# Allegro board C000PD020-3399PRO-DMEB-A-A01.brd (continued)
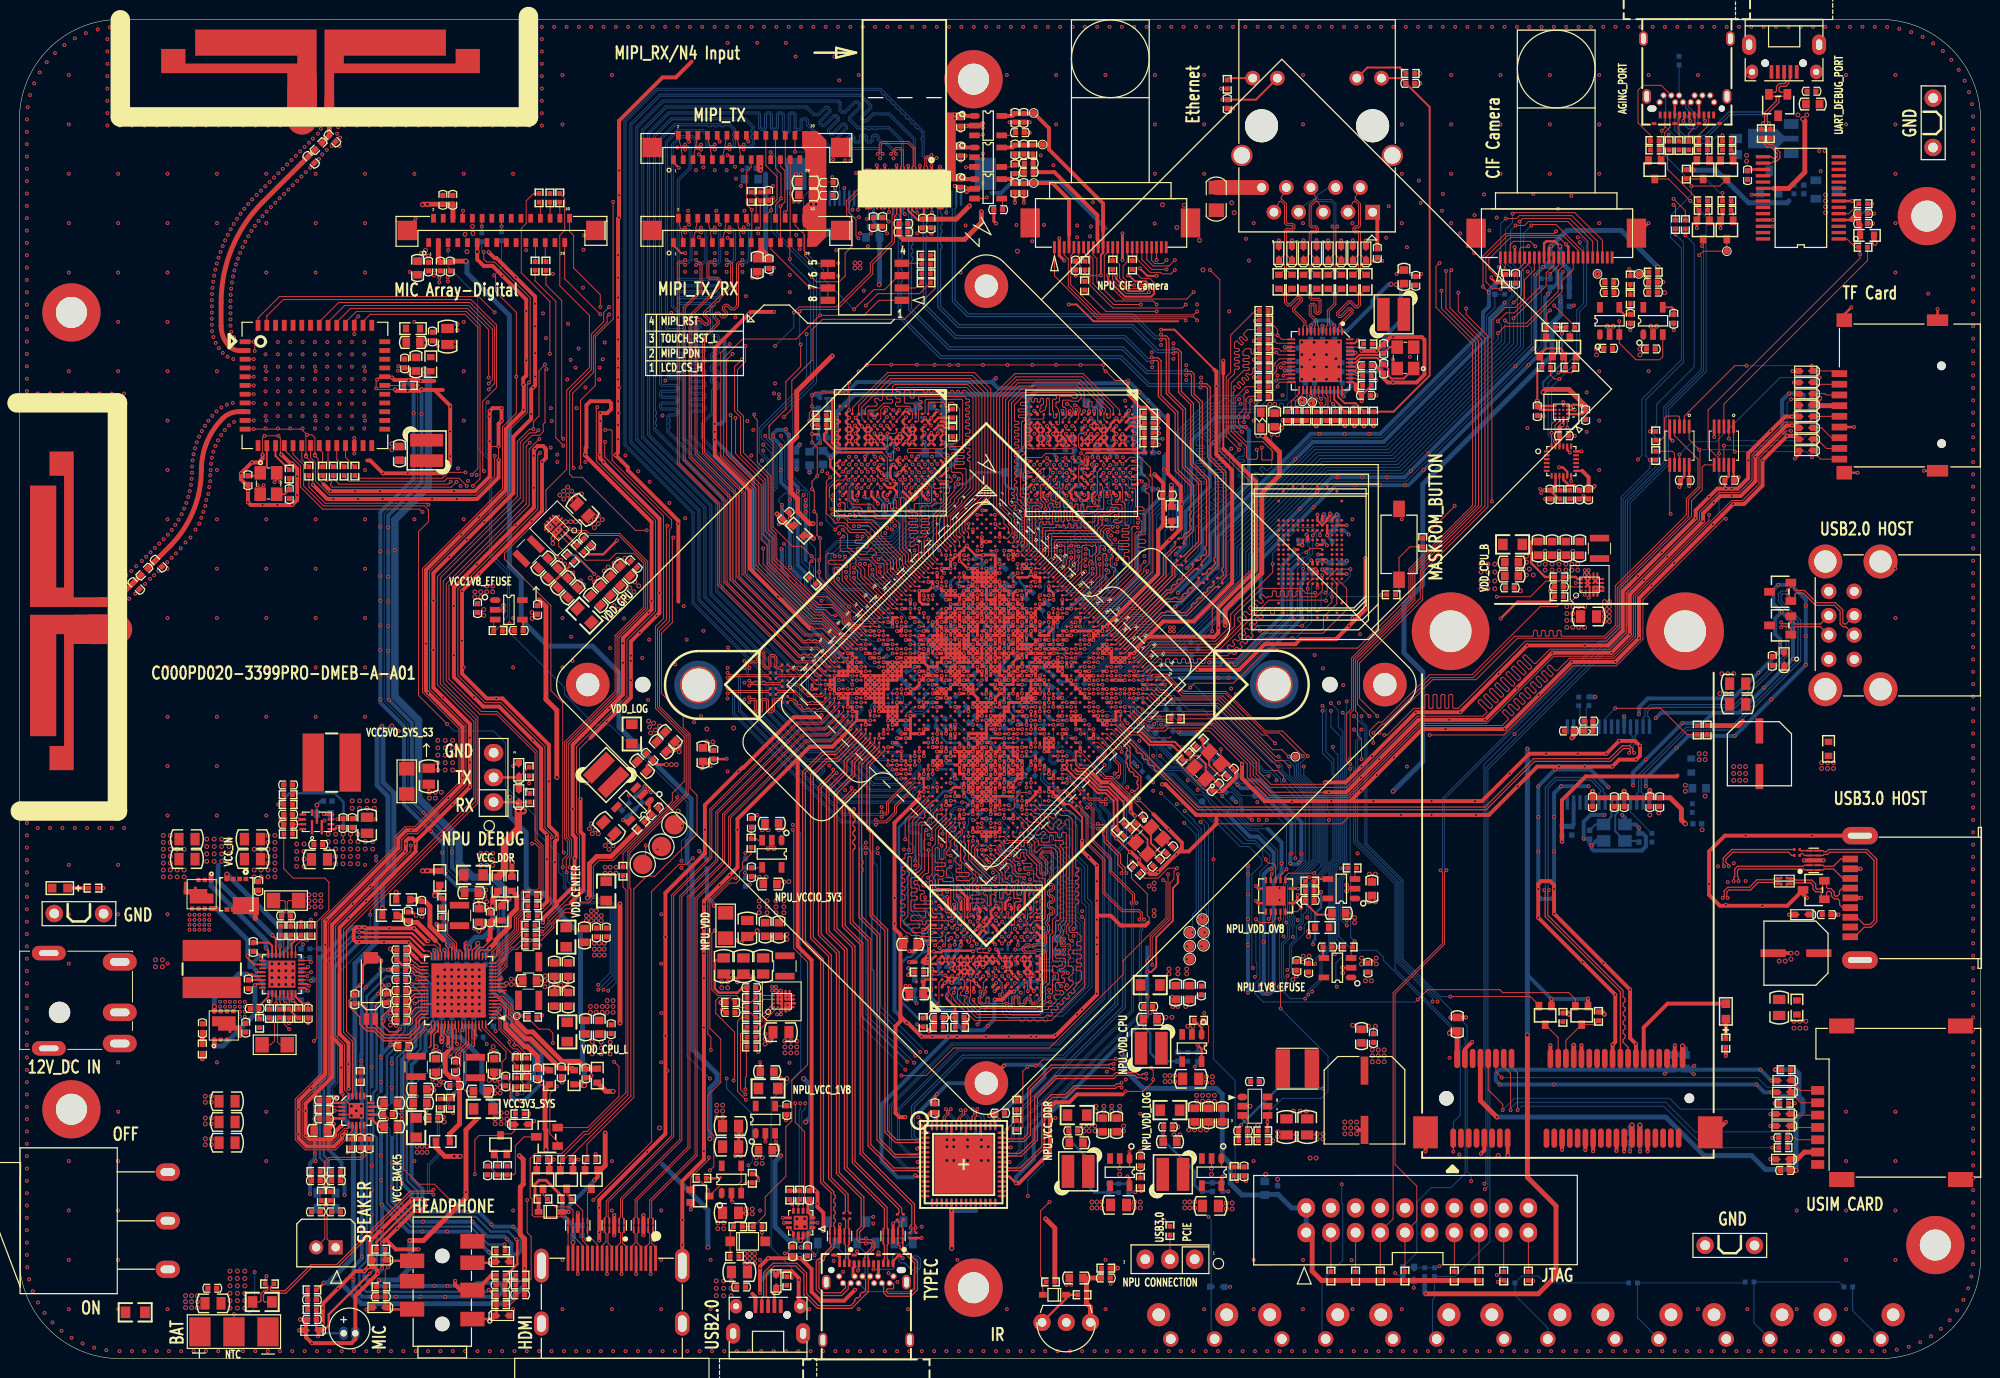
[diagram p0: board, top side]
## Footprints (pads in the part's own frame, mm; a bottom-side part is the same pattern mirrored in y, then rotated) (continued)
FPC24R_1X24_0R50_DOWN
  rect 0.3x1.25 smd: 1(0,0) 2(-0.5,0) 3(-1,0) 4(-1.5,0) 5(-2,0) 6(-2.5,0) 7(-3,0) 8(-3.5,0) 9(-4,0) 10(-4.5,0) 11(-5,0) 12(-5.5,0) 13(-6,0) 14(-6.5,0) 15(-7,0) 16(-7.5,0) 17(-8,0) 18(-8.5,0) 19(-9,0) 20(-9.5,0) 21(-10,0) 22(-10.5,0) 23(-11,0) 24(-11.5,0)
  rect 2x3 smd: 25(2.5,-2.5) 26(-14,-2.5)
FPC30R_0R50_DOWN
  rect 0.249x1.6 smd: 1(0,0) 2(-0.5,0) 3(-1,0) 4(-1.5,0) 5(-2,0) 6(-2.5,0) 7(-3,0) 8(-3.5,0) 9(-4,0) 10(-4.5,0) 11(-5,0) 12(-5.5,0) 13(-6,0) 14(-6.5,0) 15(-7,0) 16(-7.5,0) 17(-8,0) 18(-8.5,0) 19(-9,0) 20(-9.5,0) 21(-10,0) 22(-10.5,0) 23(-11,0) 24(-11.5,0) 25(-12,0) 26(-12.5,0) 27(-13,0) 28(-13.5,0) 29(-14,0) 30(-14.5,0)
  rect 2.2x3.299 smd: 31(-17,-2.5) 32(2.5,-2.5)
HDMIA19_HDMI_01A
  rect 0.3x2.6 smd: 1(0,0) 2(0.5,0) 3(1,0) 4(1.5,0) 5(2,0) 6(2.5,0) 7(3,0) 8(3.5,0) 9(4,0) 10(4.5,0) 11(5,0) 12(5.5,0) 13(6,0) 14(6.5,0) 15(7,0) 16(7.5,0) 17(8,0) 18(8.5,0) 19(9,0)
  oval 1.5x3.5 hole 0.9x2.7: 20(11.75,0.76) 21(-2.75,0.76)
  oval 1.5x2.5 hole 0.9x1.7: 22(-2.75,6.72) 23(11.75,6.72)
HOLE_C3R20_C6R00
  round 6 hole 3.2: 1(0,0)
HSMT8_3R30X3R30X0R90
  rect 0.47x0.5 smd: 1(-1.575,0.975) 2(-1.575,0.325) 3(-1.575,-0.325) 4(-1.575,-0.975) 5(1.575,-0.975) 6(1.575,-0.325) 7(1.575,0.325)
  custom 2.415x2.701 smd: 8(1.499,0.975)
IJ3_IRM_3638
  round 1.778 hole 0.89: 1(-2.489,0) 2(0,0) 3(2.489,0)
IND_252010
  rect 0.701x1.999 smd: 1(-1.049,0) 2(1.049,0)
IND_252012
  rect 0.701x1.999 smd: 1(-1.05,0) 2(1.05,0)
IND_303012
  rect 3.401x1.3 smd: 1(0,1.05) 2(0,-1.05)
IND_303015
  rect 3.401x1.3 smd: 1(0,1.05) 2(0,-1.05)
IND_404030
  rect 1.501x4 smd: 1(-1.5,0) 2(1.5,0)
IND_606020
  rect 2.2x6 smd: 1(-1.9,0) 2(1.9,0)
JTAG_ARM
  oval 1.801x1.999 hole 1.021: 1(0,0) 2(0,2.54) 3(2.54,0) 4(2.54,2.54) 5(5.08,0) 6(5.08,2.54) 7(7.62,0) 8(7.62,2.54) 9(10.16,0) 10(10.16,2.54) 11(12.7,0) 12(12.7,2.54) 13(15.24,0) 14(15.24,2.54) 15(17.78,0) 16(17.78,2.54) 17(20.32,0) 18(20.32,2.54) 19(22.86,0) 20(22.86,2.54)
L0402
  rect 0.5x0.5 smd: 1(-0.45,0) 2(0.45,0)
L0603
  rect 0.965x0.8 smd: 1(-0.8,0) 2(0.8,0)
LED0603
  rect 0.899x0.899 smd: 1(-0.8,0) 2(0.8,0)
MD44_AP6XXX_13RX15RX1R5
  rect 0.5x1.125 smd: 1(-4.5,-7.187) 2(-3.6,-7.187) 3(-2.7,-7.187) 4(-1.8,-7.187) 5(-0.9,-7.187) 6(0,-7.187) 7(0.9,-7.187) 8(1.8,-7.187) 9(2.7,-7.187) 10(3.6,-7.187) 11(4.5,-7.187) 26(4.5,7.187) 27(3.6,7.187) 28(2.7,7.187) 29(1.8,7.187) 30(0.9,7.187) 31(0,7.187) 32(-0.9,7.187) 33(-1.8,7.187) 34(-2.7,7.187) 35(-3.6,7.187) 36(-4.5,7.187)
  rect 1.125x0.5 smd: 12(6.187,-5.85) 13(6.187,-4.95) 14(6.187,-4.05) 15(6.187,-3.15) 16(6.187,-2.25) 17(6.187,-1.35) 18(6.187,-0.45) 19(6.187,0.45) 20(6.187,1.35) 21(6.187,2.25) 22(6.187,3.15) 23(6.187,4.05) 24(6.187,4.95) 25(6.187,5.85) 37(-6.187,5.85) 38(-6.187,4.95) 39(-6.187,4.05) 40(-6.187,3.15) 41(-6.187,2.25) 42(-6.187,1.35) 43(-6.187,0.45) 44(-6.187,-0.45) 45(-6.187,-1.35) 46(-6.187,-2.25) 47(-6.187,-3.15) 48(-6.187,-4.05) 49(-6.187,-4.95) 50(-6.187,-5.85)
MIC2_4020
  round 0.701 hole 0.66: 1(-0.6,0) 2(0.6,0)
MINI_PCIE
  round 1.501 hole 1.501 unplated: (-12.5,0)
  round 1 hole 1 unplated: (12.5,0)
  oval 0.6x2 smd: 1(-11.8,-4.1) 2(-11.4,4.1) 3(-11,-4.1) 4(-10.6,4.1) 5(-10.2,-4.1) 6(-9.8,4.1) 7(-9.4,-4.1) 8(-9,4.1) 9(-8.6,-4.1) 10(-8.2,4.1) 11(-7.8,-4.1) 12(-7.4,4.1) 13(-7,-4.1) 14(-6.6,4.1) 15(-6.2,-4.1) 16(-5.8,4.1) 17(-2.2,-4.1) 18(-1.8,4.1) 19(-1.4,-4.1) 20(-1,4.1) 21(-0.6,-4.1) 22(-0.2,4.1) 23(0.2,-4.1) 24(0.6,4.1) 25(1,-4.1) 26(1.4,4.1) 27(1.8,-4.1) 28(2.2,4.1) 29(2.6,-4.1) 30(3,4.1) 31(3.4,-4.1) 32(3.8,4.1) 33(4.2,-4.1) 34(4.6,4.1) 35(5,-4.1) 36(5.4,4.1) 37(5.8,-4.1) 38(6.2,4.1) 39(6.6,-4.1) 40(7,4.1) 41(7.4,-4.1) 42(7.8,4.1) 43(8.2,-4.1) 44(8.6,4.1) 45(9,-4.1) 46(9.4,4.1) 47(9.8,-4.1) 48(10.2,4.1) 49(10.6,-4.1) 50(11,4.1) 51(11.4,-4.1) 52(11.8,4.1)
  rect 2.54x3.3 smd: 53(-14.65,-3.5) 54(14.65,-3.5)
  round 8 hole 4.3: 55(-12.065,48.062) 56(12.065,48.062)
MLP14_2R50X2R50X0R80
  rect 0.6x0.3 smd: 1(-1.21,0.5) 2(-1.21,0) 3(-1.21,-0.5) 8(1.21,-0.5) 9(1.21,0) 10(1.21,0.5)
  rect 0.3x0.6 smd: 4(-0.75,-1.21) 5(-0.25,-1.21) 6(0.25,-1.21) 7(0.75,-1.21) 11(0.75,1.21) 12(0.25,1.21) 13(-0.25,1.21) 14(-0.75,1.21)
  rect 1.45x1.45 smd: 15(0,0)
MSIM7_07HF-135B
  rect 1.55x2.6 smd: 1(-1.55,-2.475) 2(14.25,-2.475) 3(-1.55,-14.705) 4(14.25,-14.705)
  rect 0.9x1.35 smd: C1(1.27,0) C2(3.81,0) C3(6.35,0) C5(0,0) C6(2.54,0) C7(5.08,0) C9(7.62,0)
MSOP10_3R00X3R00X1R10
  oval 0.3x1.45 smd: 1(-1,-1.975)
  rect 0.3x1.45 smd: 2(-0.5,-1.975) 3(0,-1.975) 4(0.5,-1.975) 5(1,-1.975) 6(1,1.975) 7(0.5,1.975) 8(0,1.975) 9(-0.5,1.975) 10(-1,1.975)
PJ7_PJ3536
  round 1.501 hole 1.501 unplated: (3.5,0) (10.5,0)
  rect 1.501x2.499 smd: 1(4,-3.1) 2(7,-3.1) 3(9.8,-3.1) 4(12,-3.1) 5(5,3.1) 6(7.9,3.1) 7(10,3.1)
QFN12_2R00X3R00X1R00
  rect 1.5x0.25 smd: 1(-0.55,0.5) 2(-0.55,-0.5) 7(0.55,0)
  rect 0.25x0.7 smd: 3(-0.75,-1.45) 4(-0.25,-1.45) 5(0.25,-1.45) 6(0.75,-1.45) 9(0.75,1.45) 10(0.25,1.45) 11(-0.25,1.45) 12(-0.75,1.45)
  rect 0.7x0.25 smd: 8(0.95,0.5)
QFN14_3R50X3R50X0R80_T
  rect 0.25x0.65 smd: 1(0.75,1.626) 2(-0.75,1.626) 8(-0.75,-1.626) 9(0.75,-1.626)
  rect 0.65x0.25 smd: 3(-1.626,1) 4(-1.626,0.5) 5(-1.626,0) 6(-1.626,-0.5) 7(-1.626,-1) 10(1.626,-1) 11(1.626,-0.5) 12(1.626,0) 13(1.626,0.5) 14(1.626,1)
  rect 1.999x1.999 smd: 15(0,0)
QFN20_3R00X3R00X0R85_T
  oval 0.7x0.25 smd: 1(-1.5,0.8)
  rect 0.7x0.25 smd: 2(-1.5,0.4) 3(-1.5,0) 4(-1.5,-0.4) 5(-1.5,-0.8) 11(1.5,-0.8) 12(1.5,-0.4) 13(1.5,0) 14(1.5,0.4) 15(1.5,0.8)
  rect 0.25x0.7 smd: 6(-0.8,-1.5) 7(-0.4,-1.5) 8(0,-1.5) 9(0.4,-1.5) 10(0.8,-1.5) 16(0.8,1.5) 17(0.4,1.5) 18(0,1.5) 19(-0.4,1.5) 20(-0.8,1.5)
  rect 1.6x1.6 smd: 21(0,0)
QFN24_3R00X3R00X0R90
  oval 0.6x0.225 smd: 1(-1.508,1)
  rect 0.6x0.225 smd: 2(-1.508,0.6) 3(-1.508,0.2) 4(-1.508,-0.2) 5(-1.508,-0.6) 6(-1.508,-1) 13(1.508,-1) 14(1.508,-0.6) 15(1.508,-0.2) 16(1.508,0.2) 17(1.508,0.6) 18(1.508,1)
  rect 0.225x0.6 smd: 7(-1,-1.508) 8(-0.6,-1.508) 9(-0.2,-1.508) 10(0.2,-1.508) 11(0.6,-1.508) 12(1,-1.508) 19(1,1.508) 20(0.6,1.508) 21(0.2,1.508) 22(-0.2,1.508) 23(-0.6,1.508) 24(-1,1.508)
QFN32_4R00X4R00X1R00_T
  rect 0.7x0.2 smd: 1(-2,1.4) 2(-2,1) 3(-2,0.6) 4(-2,0.2) 5(-2,-0.2) 6(-2,-0.6) 7(-2,-1) 8(-2,-1.4) 17(2,-1.4) 18(2,-1) 19(2,-0.6) 20(2,-0.2) 21(2,0.2) 22(2,0.6) 23(2,1) 24(2,1.4)
  rect 0.2x0.7 smd: 9(-1.4,-2) 10(-1,-2) 11(-0.6,-2) 12(-0.2,-2) 13(0.2,-2) 14(0.6,-2) 15(1,-2) 16(1.4,-2) 25(1.4,2) 26(1,2) 27(0.6,2) 28(0.2,2) 29(-0.2,2) 30(-0.6,2) 31(-1,2) 32(-1.4,2)
  rect 2.8x2.8 smd: 33(0,0)
QFN48_6R00X6R00X1R00_T
  oval 0.2x0.8 smd: 1(-2.2,-3)
  rect 0.2x0.8 smd: 2(-1.8,-3) 3(-1.4,-3) 4(-1,-3) 5(-0.6,-3) 6(-0.2,-3) 7(0.2,-3) 8(0.6,-3) 9(1,-3) 10(1.4,-3) 11(1.8,-3) 12(2.2,-3) 25(2.2,3) 26(1.8,3) 27(1.4,3) 28(1,3) 29(0.6,3) 30(0.2,3) 31(-0.2,3) 32(-0.6,3) 33(-1,3) 34(-1.4,3) 35(-1.8,3) 36(-2.2,3)
  rect 0.8x0.2 smd: 13(3,-2.2) 14(3,-1.8) 15(3,-1.4) 16(3,-1) 17(3,-0.6) 18(3,-0.2) 19(3,0.2) 20(3,0.6) 21(3,1) 22(3,1.4) 23(3,1.8) 24(3,2.2) 37(-3,2.2) 38(-3,1.8) 39(-3,1.4) 40(-3,1) 41(-3,0.6) 42(-3,0.2) 43(-3,-0.2) 44(-3,-0.6) 45(-3,-1) 46(-3,-1.4) 47(-3,-1.8) 48(-3,-2.2)
  rect 4.4x4.4 smd: 49(0,0)
QFN56_8R00X8R00X1R00_T
  rect 0.851x0.249 smd: 1(-3.925,3.25)
  oval 0.851x0.249 smd: 2(-3.925,2.75) 3(-3.925,2.25) 4(-3.925,1.75) 5(-3.925,1.25) 6(-3.925,0.75) 7(-3.925,0.25) 8(-3.925,-0.25) 9(-3.925,-0.75) 10(-3.925,-1.25) 11(-3.925,-1.75) 12(-3.925,-2.25) 13(-3.925,-2.75) 14(-3.925,-3.25) 29(3.925,-3.25) 30(3.925,-2.75) 31(3.925,-2.25) 32(3.925,-1.75) 33(3.925,-1.25) 34(3.925,-0.75) 35(3.925,-0.25) 36(3.925,0.25) 37(3.925,0.75) 38(3.925,1.25) 39(3.925,1.75) 40(3.925,2.25) 41(3.925,2.75) 42(3.925,3.25)
  oval 0.249x0.851 smd: 15(-3.25,-3.925) 16(-2.75,-3.925) 17(-2.25,-3.925) 18(-1.75,-3.925) 19(-1.25,-3.925) 20(-0.75,-3.925) 21(-0.25,-3.925) 22(0.25,-3.925) 23(0.75,-3.925) 24(1.25,-3.925) 25(1.75,-3.925) 26(2.25,-3.925) 27(2.75,-3.925) 28(3.25,-3.925) 43(3.25,3.925) 44(2.75,3.925) 45(2.25,3.925) 46(1.75,3.925) 47(1.25,3.925) 48(0.75,3.925) 49(0.25,3.925) 50(-0.25,3.925) 51(-0.75,3.925) 52(-1.25,3.925) 53(-1.75,3.925) 54(-2.25,3.925) 55(-2.75,3.925) 56(-3.25,3.925)
  rect 5.999x5.999 smd: 57(0,0)
QFN68_7R00X7R00X0R80_T
  oval 0.8x0.15 smd: 1(-3.5,2.8)
  rect 0.8x0.15 smd: 2(-3.5,2.45) 3(-3.5,2.1) 4(-3.5,1.75) 5(-3.5,1.4) 6(-3.5,1.05) 7(-3.5,0.7) 8(-3.5,0.35) 9(-3.5,0) 10(-3.5,-0.35) 11(-3.5,-0.7) 12(-3.5,-1.05) 13(-3.5,-1.4) 14(-3.5,-1.75) 15(-3.5,-2.1) 16(-3.5,-2.45) 17(-3.5,-2.8) 35(3.5,-2.8) 36(3.5,-2.45) 37(3.5,-2.1) 38(3.5,-1.75) 39(3.5,-1.4) 40(3.5,-1.05) 41(3.5,-0.7) 42(3.5,-0.35) 43(3.5,0) 44(3.5,0.35) 45(3.5,0.7) 46(3.5,1.05) 47(3.5,1.4) 48(3.5,1.75) 49(3.5,2.1) 50(3.5,2.45) 51(3.5,2.8)
  rect 0.15x0.8 smd: 18(-2.8,-3.5) 19(-2.45,-3.5) 20(-2.1,-3.5) 21(-1.75,-3.5) 22(-1.4,-3.5) 23(-1.05,-3.5) 24(-0.7,-3.5) 25(-0.35,-3.5) 26(0,-3.5) 27(0.35,-3.5) 28(0.7,-3.5) 29(1.05,-3.5) 30(1.4,-3.5) 31(1.75,-3.5) 32(2.1,-3.5) 33(2.45,-3.5) 34(2.8,-3.5) 52(2.8,3.5) 53(2.45,3.5) 54(2.1,3.5) 55(1.75,3.5) 56(1.4,3.5) 57(1.05,3.5) 58(0.7,3.5) 59(0.35,3.5) 60(0,3.5) 61(-0.35,3.5) 62(-0.7,3.5) 63(-1.05,3.5) 64(-1.4,3.5) 65(-1.75,3.5) 66(-2.1,3.5) 67(-2.45,3.5) 68(-2.8,3.5)
  rect 5.6x5.6 smd: 69(0,0)
R0201
  rect 0.249x0.3 smd: 1(-0.274,0) 2(0.274,0)
R0402
  rect 0.5x0.5 smd: 1(-0.45,0) 2(0.45,0)
R0603
  rect 0.65x0.8 smd: 1(-0.724,0) 2(0.724,0)
R0805
  rect 1.001x1.199 smd: 1(-1,0) 2(1,0)
R1206
  rect 1.4x1.6 smd: 1(-1.3,0) 2(1.3,0)
RADIATOR_38R00X38R00X10R00
  round 3.8 hole 3.401: 1(-20.92,-20.97) 2(20.92,20.97)
RJ45_HR911130C
  round 3.4 hole 3.4 unplated: (-5.715,0) (5.715,0)
  rect 1.524x1.524 hole 0.9: 1(5.72,-8.89)
  round 1.524 hole 0.9: 2(4.45,-6.35) 3(3.18,-8.89) 4(1.91,-6.35) 5(0.64,-8.89) 6(-0.63,-6.35) 7(-1.9,-8.89) 8(-3.17,-6.35) 9(-4.44,-8.89) 10(-5.71,-6.35) 11(6.625,4.9) 12(4.085,4.9) 13(-4.085,4.9) 14(-6.625,4.9)
  round 2.2 hole 1.7: 15(-7.745,-3.05) 16(7.745,-3.05)
RP2_0504
  rect 0.5x0.3 smd: 1(-0.625,-0.275) 2(0.625,-0.275) 3(-0.625,0.275) 4(0.625,0.275)
SOD_123
  rect 1.001x1.001 smd: 1(-1.8,0) 2(1.8,0)
SOD_323
  rect 0.8x0.599 smd: 1(-1.2,0) 2(1.2,0)
SON10_2R50X1R00X0R50
  rect 0.201x0.681 smd: 1(-1,-0.437) 2(-0.5,-0.437) 4(0.5,-0.437) 5(1,-0.437) 6(1,0.437) 7(0.5,0.437) 9(-0.5,0.437) 10(-1,0.437)
  rect 0.399x0.749 smd: 3(0,-0.395) 8(0,0.395)
SOT_23
  rect 0.8x1.1 smd: 1(-0.95,-1.1) 2(0.95,-1.1) 3(0,1.1)
SOT_23_5
  oval 1.1x0.599 smd: 1(0,0)
  rect 1.1x0.599 smd: 2(0,-1) 3(0,-2) 4(2.8,-2) 5(2.8,0)
SOT_23_6
  oval 1.001x0.701 smd: 1(-1.3,0.95)
  rect 1.001x0.701 smd: 2(-1.3,0) 3(-1.3,-0.95) 4(1.3,-0.95) 5(1.3,0) 6(1.3,0.95)
SOT_89_3
  rect 1.001x1.501 smd: 1(-1.5,-1.85) 3(1.5,-1.85)
  custom 2.002x5.202 smd: 2(0,0)
SOT_323
  rect 0.701x0.899 smd: 1(-0.65,-0.95) 2(0.65,-0.95) 3(0,0.95)
SOT_323#2
  rect 0.701x0.899 smd: 1(-0.65,-0.95) 2(0.65,-0.95) 3(0,0.95)
SSOP28_10R20X5R30X2R00
  rect 0.351x1.501 smd: 1(-4.225,-3.9) 2(-3.575,-3.9) 3(-2.925,-3.9) 4(-2.275,-3.9) 5(-1.625,-3.9) 6(-0.975,-3.9) 7(-0.325,-3.9) 8(0.325,-3.9) 9(0.975,-3.9) 10(1.625,-3.9) 11(2.275,-3.9) 12(2.925,-3.9) 13(3.575,-3.9) 14(4.225,-3.9) 15(4.225,3.9) 16(3.575,3.9) 17(2.925,3.9) 18(2.275,3.9) 19(1.625,3.9) 20(0.975,3.9) 21(0.325,3.9) 22(-0.325,3.9) 23(-0.975,3.9) 24(-1.625,3.9) 25(-2.275,3.9) 26(-2.925,3.9) 27(-3.575,3.9) 28(-4.225,3.9)
ST-1102V
  round 1.6 hole 1: 1(-2.25,1.25) 2(2.25,1.25)
  round 2.4 hole 1.3: 3(3.5,-1.25) 4(-3.5,-1.25)
SW2_6R00X3R70X2R50
  rect 1.199x1.699 smd: 1(0,0) 2(0,7.3)
SW3_KCD1-11-3P-W
  oval 1.801x2.499 hole 0.8x1.501: 1(-5,0) 2(0,0) 3(5,0)
SW8_5R68X5R40X2R30
  rect 0.75x1.5 smd: 1(-1.905,-3.81) 2(-0.635,-3.81) 3(0.635,-3.81) 4(1.905,-3.81) 5(1.905,3.81) 6(0.635,3.81) 7(-0.635,3.81) 8(-1.905,3.81)
TF9_CKT01_009D
  round 0.899 hole 0.899 unplated: (10.5,0.8) (10.516,-7.2)
  rect 1.6x0.701 smd: 1(0,0) 2(0,-1.1) 3(0,-2.2) 4(0,-3.3) 5(0,-4.4) 6(0,-5.5) 7(0,-6.6) 8(0,-7.7) 9(0,-8.8)
  rect 1.6x1.4 smd: 10(0.5,-10.2) 13(0.5,5.5)
  rect 2.2x1.199 smd: 11(10.1,-10) 12(10.1,5.5)
TP_0R50
  round 0.5 smd: 1(0,0)
TP_0R70
  round 0.701 smd: 1(0,0)
TP_1R00
  round 1.001 smd: 1(0,0)
TP_2R00
  round 2 smd: 1(0,0)
UB1112C-8FDH-4F
  round 1.6 hole 0.92: A1(-3.5,2.62) A2(-1,2.62) A3(1,2.62) A4(3.5,2.62) B1(-3.5,0) B2(-1,0) B3(1,0) B4(3.5,0)
  round 3.5 hole 2.3: H1(-6.57,2.97) H2(-6.57,-2.71) H3(6.57,-2.71) H4(6.57,2.97)
USB20MICRO5_MU05_10MGF_T
  round 0.8 hole 0.8 unplated: (1.685,1.95) (1.685,-1.95)
  rect 1.4x0.399 smd: 1(2.585,1.3) 2(2.585,0.65) 3(2.585,0) 4(2.585,-0.65) 5(2.585,-1.3)
  oval 1.501x1.25 hole 0.65: 6(2.585,3.3) 7(2.585,-3.3)
  oval 2.101x1.45 hole 1.1x0.65: 8(-0.215,3.6) 9(-0.215,-3.6)
USB30A9_USB30_A
  rect 0.701x1.6 smd: 1(-3,0) 2(-1.001,0) 3(1.001,0) 4(3,0) 5(4,0) 6(1.999,0) 7(0,0) 8(-1.999,0) 9(-4,0)
  oval 1.801x3.701 hole 0.599x2.499: 10(-6.401,-1.001) 11(6.401,-1.001)
USB_TYPEC_115H0
  round 0.65 hole 0.65 unplated: (-3.6,9.2)
  oval 0.94x0.635 hole 0.94x0.635 unplated: (3.6,9.2)
  rect 0.3x0.701 smd: A1(-2.75,9.86) A2(-2.25,9.86) A3(-1.75,9.86) A4(-1.25,9.86) A5(-0.75,9.86) A6(-0.25,9.86) A7(0.25,9.86) A8(0.75,9.86) A9(1.25,9.86) A10(1.75,9.86) A11(2.25,9.86) A12(2.75,9.86)
  round 0.65 hole 0.399: B1(2.8,8.55) B2(2.4,7.85) B3(1.6,7.85) B4(1.2,8.55) B5(0.8,7.85) B6(0.4,8.55) B7(-0.4,8.55) B8(-0.8,7.85) B9(-1.2,8.55) B10(-1.6,7.85) B11(-2.4,7.85) B12(-2.8,8.55)
  oval 0.899x1.501 hole 0.483x1.092: E1(-4.47,2) E2(4.47,2) E3(-4.13,7.95) E4(4.13,7.95)
  rect 0.5x0.3 smd: E5(-3.37,10.75) E6(-1.25,10.75) E7(1.25,10.75) E8(3.38,10.75)
WLCSP20_2R00X1R60X0R66
  round 0.24 smd: A1(-0.6,0.8) A2(-0.2,0.8) A3(0.2,0.8) A4(0.6,0.8) B1(-0.6,0.4) B2(-0.2,0.4) B3(0.2,0.4) B4(0.6,0.4) C1(-0.6,0) C2(-0.2,0) C3(0.2,0) C4(0.6,0) D1(-0.6,-0.4) D2(-0.2,-0.4) D3(0.2,-0.4) D4(0.6,-0.4) E1(-0.6,-0.8) E2(-0.2,-0.8) E3(0.2,-0.8) E4(0.6,-0.8)
